# Altium PCB LimeNet-Micro_2v1.PcbDoc (part 2 of 11)
Units mm, origin at the board's own origin, x right, y up, seen from the top; angles counter-clockwise.
Board outline 75 x 143 mm, 6 copper layers (Top, L2, L3, L4, L5, Bottom), stack 1.583 mm thick; 795 components, 565 nets, 3646 pads, 1420 vias.
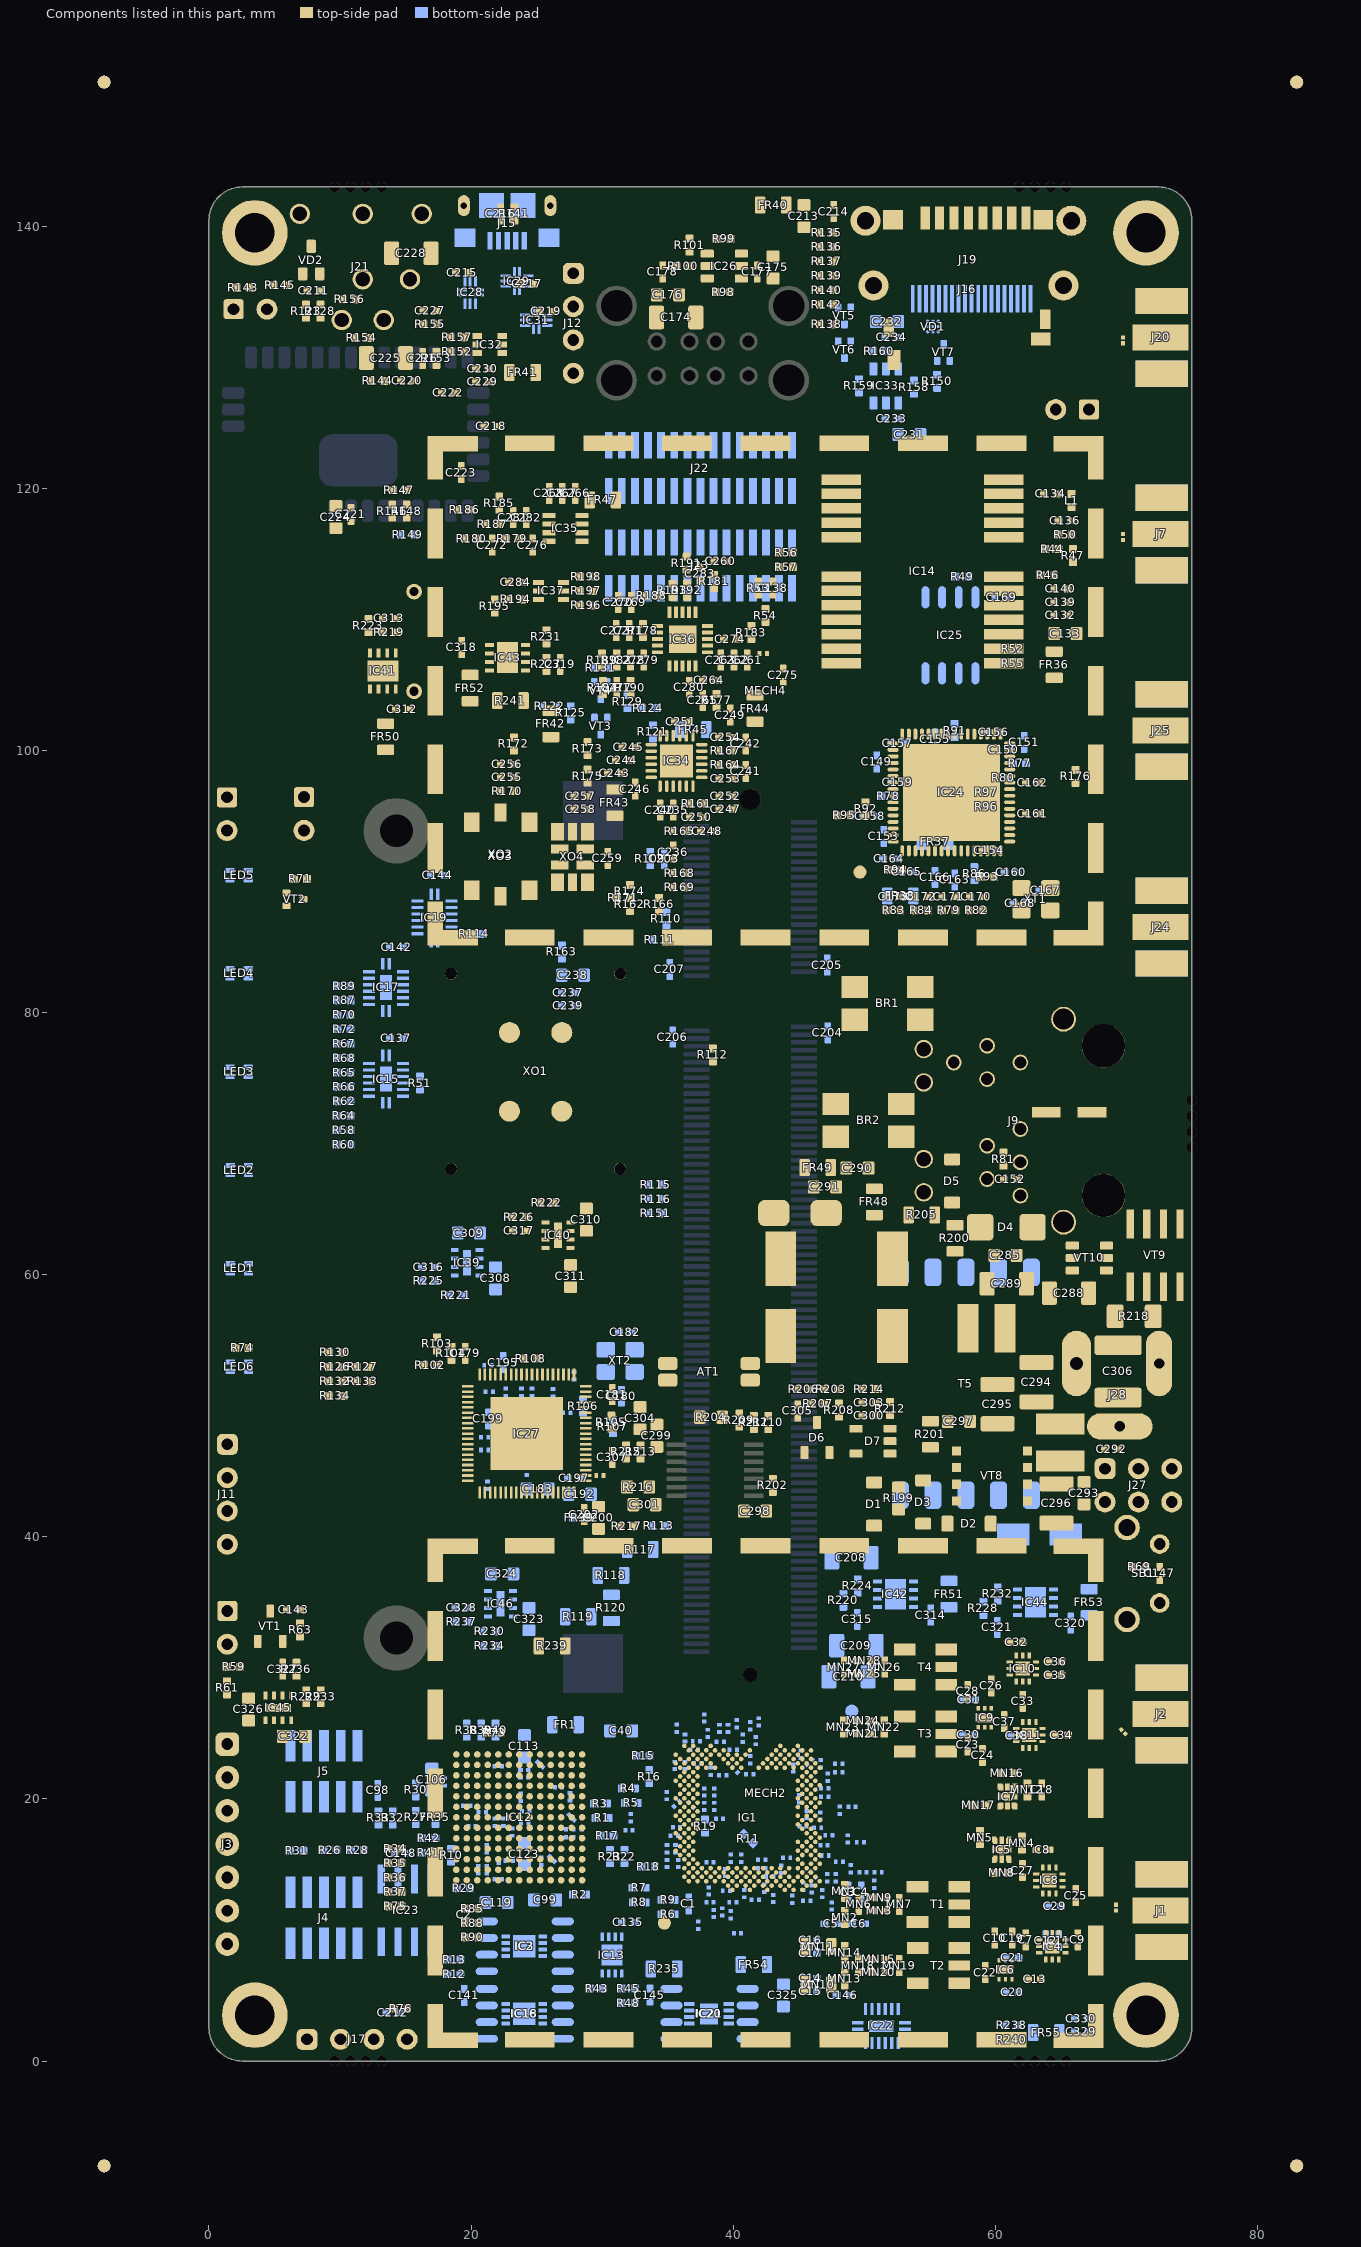
[diagram p6: the components of this part, seen from the top]

## Components (designator, comment, footprint, x,y, rotation, side; value= is the part's Value field where it differs from the comment) (continued)
R53 "0R" RES0402#2 41.915,112.4 r90 top
R54 "0R" RES0402#2 42.465,110.3 r270 top
R55 "0R" RES0402#1 61.331,106.675 r0 bottom
R56 "0R" RES0402#2 44.065,115.1 r0 top
R57 "0R" RES0402#2 44.065,114 r180 top
R58 "100R, 1%" RES0402#1 10.3,71.025 r0 bottom
R59 "0R" RES0402#2 1.875,30.075 r180 top
R60 "100R, 1%" RES0402#1 10.3,69.925 r0 bottom
R61 "0R" RES0402#2 1.375,28.475 r90 top
R62 "100R, 1%" RES0402#1 10.308,73.225 r0 bottom
R63 "0R" RES0402#2 6.95,32.9 r90 top
R64 "100R, 1%" RES0402#1 10.3,72.125 r0 bottom
R65 "100R, 1%" RES0402#1 10.308,75.425 r0 bottom
R66 "100R, 1%" RES0402#1 10.308,74.325 r0 bottom
R67 "100R, 1%" RES0402#1 10.308,77.625 r0 bottom
R68 "100R, 1%" RES0402#1 10.305,76.525 r0 bottom
R69 "10k, 1%" RES0402#2 71,37.7 r0 top
R70 "100R, 1%" RES0402#1 10.308,79.825 r0 bottom
R71 "0R" RES0402#2 6.975,90.2 r0 top
R72 "100R, 1%" RES0402#1 10.308,78.725 r0 bottom
R73 "1k, 1%" RES0402#2 21.772,25.05 r0 top
R74 "249R, 1%" RES0402#2 2.525,54.412 r0 top
R75 "10k, 1%" RES0402#2 14.2,11.8 r0 top
R76 "10k, 1%" RES0402#2 14.625,4 r180 top
R77 "10k, 1%" RES0402#1 61.85,99.025 r180 bottom
R78 "10k, 1%" RES0402#1 51.825,96.525 r0 bottom
R79 "49.9R, 1%" RES0402#2 56.45,87.8 r180 top
R80 "0R" RES0402#1 60.625,97.925 r0 bottom
R81 "10R, 5%" RES0402#2 60.625,68.825 r270 top
R82 "49.9R, 1%" RES0402#2 58.55,87.8 r0 top
R83 "49.9R, 1%" RES0402#2 52.25,87.8 r180 top
R84 "49.9R, 1%" RES0402#2 54.35,87.8 r0 top
R85 "10k, 1%" RES0402#2 20.075,11.625 r0 top
R86 "1M, 1%" RES0402#1 58.4,90.6 r90 bottom
R87 "100R, 1%" RES0402#1 10.308,80.925 r180 bottom
R88 "10k, 1%" RES0402#2 20.075,10.525 r0 top
R89 "100R, 1%" RES0402#1 10.307,82.025 r180 bottom
R90 "10k, 1%" RES0402#2 20.075,9.425 r0 top
R91 "10k, 1%" RES0402#1 56.9,101.525 r90 bottom
R92 "0R" RES0402#2 50.1,95.55 r270 top
R93 "12k, 1%" RES0402#2 59.4,90.35 r180 top
R94 "12.4k, 1%" RES0402#2 52.375,90.9 r180 top
R95 "0R" RES0402#2 48.475,95.05 r180 top
R96 "0R" RES0402#1 59.325,95.7 r180 bottom
R97 "0R" RES0402#1 59.325,96.8 r180 bottom
R98 "0R" RES0402_v2#1 39.25,134.975 r0 top
R99 "10k, 1%" RES0402#2 39.295,139.045 r180 top
R100 "44.2k, 1%" RES0402#2 36.17,136.97 r180 top
R101 "44.2k, 1%" RES0402#2 36.67,138.57 r90 top
R102 "0R" RES0402#2 16.9,53.1 r0 top
R103 "4K7, 1%" RES0402#2 17.4,54.725 r90 top
R104 "10k, 1%" RES0402#2 18.5,54 r270 top
R105 "10k, 1%" RES0402#2 30.7,48.75 r90 top
R106 "10k, 1%" RES0402#1 28.55,49.975 r270 bottom
R107 "10k, 1%" RES0402#1 30.825,48.4 r270 bottom
R108 "1k6, 1%" RES0402#2 24.55,53.6 r0 top
R109 "0R" RES0402#1 33.675,91.75 r270 bottom
R110 "100k, 1%" RES0402#1 34.9,87.175 r270 bottom
R111 "100k, 1%" RES0402#1 34.4,85.575 r0 bottom
R112 "22R" RES0402#2 38.45,76.775 r90 top
R113 "1k, 1%" RES0402#1 34.325,40.825 r0 bottom
R114 "0R" RES0402#1 20.25,86 r180 bottom
R115 "100k, 1%" RES0402#1 34.075,66.875 r0 bottom
R116 "100k, 1%" RES0402#1 34.075,65.775 r0 bottom
R117 "0R" RES0805#1 32.9,39.025 r180 bottom
R118 "0R" RES0805#1 30.675,37.05 r180 bottom
R119 "0R" RES0805#1 28.175,33.9 r180 bottom
R120 "0R" RES0805#1 30.7,34.575 r90 bottom
R121 "0R" RES0402#1 33.875,101.425 r90 bottom
R122 "0R" RES0402#1 26,103.375 r0 bottom
R123 "0R" RES0402#2 7.407,133.525 r270 top
R124 "100k, 1%" RES0402#1 33.535,103.235 r180 bottom
R125 "100k, 1%" RES0402#1 27.6,102.875 r270 bottom
R126 "0R" RES0402#2 9.65,52.964 r0 top
R127 "3k, 1%" RES0402#2 11.75,52.964 r180 top
R128 "0R" RES0402#2 8.507,133.525 r90 top
R129 "0R" RES0402#1 31.935,103.735 r270 bottom
R130 "0R" RES0402#2 9.65,54.075 r0 top
R131 "100k, 1%" RES0402#1 29.9,106.325 r180 bottom
R132 "0R" RES0402#2 9.65,51.864 r0 top
R133 "3k, 1%" RES0402#2 11.75,51.864 r180 top
R134 "0R" RES0402#2 9.65,50.753 r0 top
R135 "22R" RES0402#2 47.125,139.525 r0 top
R136 "22R" RES0402#2 47.125,138.425 r0 top
R137 "22R" RES0402#2 47.125,137.325 r0 top
R138 "47.5k, 1%" RES0402#2 47.138,132.513 r0 top
R139 "22R" RES0402#2 47.125,136.225 r0 top
R140 "22R" RES0402#2 47.125,135.125 r0 top
R141 "1M" RES0402#2 23.3,140.95 r270 top
R142 "22R" RES0402#2 47.125,134.025 r0 top
R143 "0R" RES0402#2 2.6,135.325 r0 top
R144 "49.9R, 1%" RES0402#2 12.875,128.2 r0 top
R145 "100k, 1%" RES0402#2 5.425,135.5 r0 top
R146 "1k, 1%" RES0402#2 13.985,118.26 r270 top
R147 "1k, 1%" RES0402#2 14.535,119.86 r0 top
R148 "0R" RES0402#2 15.085,118.26 r90 top
R149 "0R" RES0402#1 15.15,116.475 r180 bottom
R150 "100k, 1%" RES0402#1 55.56,128.175 r90 bottom
R151 "100k, 1%" RES0402#1 34.075,64.675 r0 bottom
R152 "249R, 1%" RES0402#2 18.947,130.425 r180 top
R153 "100R, 1%" RES0402#2 17.347,129.925 r90 top
R154 "2k2, 1%" RES0402#2 11.65,131.485 r180 top
R155 "100R, 1%" RES0402#2 16.875,132.525 r180 top
R156 "2k2, 1%" RES0402#2 10.725,134.425 r0 top
R157 "249R, 1%" RES0402#2 18.947,131.525 r180 top
R158 "0R" RES0402_v2#2 53.8,127.725 r270 bottom
R159 "10k, 1%" RES0402#1 49.6,127.825 r90 bottom
R160 "44.2k, 1%" RES0402#1 51.15,130.475 r180 bottom
R161 "0R" RES0402#2 37.2,95.95 r180 top
R162 "0R" RES0402_v2#1 32.125,88.25 r270 top
R163 "0R" RES0402#1 26.925,84.625 r270 bottom
R164 "0R" RES0402#2 39.425,98.9 r180 top
R165 "49.9R, 1%" RES0402#2 35.925,93.85 r180 top
R166 "0R" RES0402_v2#1 34.35,88.25 r270 top
R167 "0R" RES0402#2 39.425,100 r180 top
R168 "0R" RES0402_v2#1 35.925,90.65 r0 top
R169 "0R" RES0402_v2#1 35.925,89.55 r0 top
R170 "0R" RES0402#2 22.761,96.9 r0 top
R171 "0R" RES0402_v2#1 31.625,88.75 r180 top
R172 "0R" RES0402#2 23.261,100.5 r90 top
R173 "0R" RES0402#2 28.886,100.15 r270 top
R174 "0R" RES0402_v2#1 32.125,89.25 r270 top
R175 "22R" RES0402#2 28.886,98.05 r270 top
R176 "0R" RES0402#2 66.125,98.025 r90 top
R177 "49.9R, 1%" RES0402#2 38.738,103.825 r90 top
R178 "10R, 5%" RES0402#2 33.113,109.15 r90 top
R179 "1k, 1%" RES0402#2 23.15,116.175 r0 top
R180 "0R" RES0402#2 20.05,116.175 r0 top
R181 "1k, 1%" RES0402#2 38.55,112.9 r90 top
R182 "470R, 0.5%" RES0402#2 31.113,106.9 r270 top
R183 "49.9R, 1%" RES0402#2 41.388,109 r270 top
R184 "0R" RES0402#2 30.063,104.8 r270 top
R185 "3k, 1%" RES0402#2 22.15,118.875 r90 top
R186 "1k, 1%" RES0402#2 19.5,118.375 r180 top
R187 "10k, 1%" RES0402#2 21.65,117.275 r180 top
R188 "10k, 1%" RES0402#2 33.77,111.8 r180 top
R189 "10k, 1%" RES0402#2 30,106.9 r270 top
R190 "330R, 5%" RES0402#2 32.163,104.8 r90 top
R191 "49.9R, 1%" RES0402#2 36.45,114.3 r270 top
R192 "49.9R, 1%" RES0402#2 36.463,112.225 r270 top
R193 "49.9R, 1%" RES0402#2 35.363,112.225 r270 top
R194 "3k, 1%" RES0402#2 23.4,111.525 r0 top
R195 "10k, 1%" RES0402#2 21.8,111.025 r270 top
R196 "49.9R, 1%" RES0402#2 28.8,111.075 r0 top
R197 "49.9R, 1%" RES0402#2 28.8,112.175 r0 top
R198 "49.9R, 1%" RES0402#2 28.8,113.275 r0 top
R199 "10R, 1%" RES0603 52.625,42.925 r270 top
R200 "39k, 1%" RES0805#2 56.925,62.775 r270 top
R201 "10R, 1%" RES0805#2 55.05,47.825 r90 top
R202 "24.9k, 1%" RES0402#2 43.025,43.925 r270 top
R203 "0R" RES0402#2 47.475,51.26 r0 top
R204 "90.9R. 1%" RES0603 38.31,49.125 r180 top
R205 "20R 1%" RES0805#2 54.381,64.562 r180 top
R206 "680R, 1%" RES0402#2 45.375,51.26 r180 top
R207 "10k, 1%" RES0402#2 46.475,50.16 r180 top
R208 "44.2k, 1%" RES0402#2 48.075,49.66 r90 top
R209 "0R" RES0402#2 40.464,48.9 r270 top
R210 "80.6k, 1%" RES0402#2 42.675,48.725 r90 top
R211 "59k, 1%" RES0402#2 41.575,48.725 r90 top
R212 "10k, 1%" RES0402#2 51.975,49.775 r90 top
R213 "2k, 1%" RES0402#2 32.938,46.475 r90 top
R214 "14.3k, 1%" RES0402#2 50.375,51.275 r0 top
R215 "680R, 1%" RES0402#2 31.825,46.475 r90 top
R216 "10R, 1%" RES0603 32.75,43.8 r0 top
R217 "1k, 1%" RES0402#2 31.887,40.8 r0 top
R218 "0.5R, 1%" RES1206 70.6,56.825 r180 top
R219 "1k, 1%" RES0402#2 13.768,109.025 r0 top
R220 "560R, 1%" RES0402#1 48.405,35.154 r270 bottom
R221 "118k, 1%" RES0402#1 18.855,58.425 r0 bottom
R222 "118k, 1%" RES0402#2 25.777,65.5 r0 top
R223 "470R, 0.5%" RES0402#2 12.168,109.525 r90 top
R224 "1k, 1%" RES0402#1 49.505,36.254 r270 bottom
R225 "150k, 1%" RES0402#1 16.755,59.525 r0 bottom
R226 "150k, 1%" RES0402#2 23.677,64.4 r0 top
R227 "1.6k, 1%" RES0402#2 25.75,106.575 r270 top
R228 "750R, 1%" RES0402#1 59.088,34.536 r90 bottom
R229 "0R" RES0402#2 7.425,27.795 r90 top
R230 "0R" RES0402#1 21.405,32.775 r180 bottom
R231 "510R, 1%" RES0402#2 25.75,108.675 r90 top
R232 "1k, 1%" RES0402#1 60.188,35.636 r270 bottom
R233 "187k, 1%" RES0402#2 8.525,27.795 r270 top
R234 "187k, 1%" RES0402#1 21.405,31.675 r0 bottom
R235 "0R" RES0805#1 34.725,7.025 r180 bottom
R236 "82.5k, 1%" RES0402#2 6.675,29.895 r270 top
R237 "82.5k, 1%" RES0402#1 19.305,33.525 r0 bottom
R238 "0R" RES0402#1 61.24,2.725 r0 bottom
R239 "0R" RES0805#2 26.175,31.675 r180 top
R240 "0R" RES0402#1 61.24,1.625 r180 bottom
R241 "0R" RES0805#2 23,103.8 r180 top
SB1 "Switch tactile right edge" SW_TACTILE_RIGHT_EDGE 71.3,37.2 r270 bottom locked
T1 "TC1-1-13M-45+" TC1-1-13MA+_JA4220-AL_ 55.651,11.949 r270 top
T2 "TC1-1-13M-45+" TC1-1-13MA+_JA4220-AL_ 55.661,7.274 r270 top
T3 "TC1-1-13M-45+" TC1-1-13MA+_JA4220-AL_ 54.681,24.953 r270 top
T4 "TC1-1-13M-45+" TC1-1-13MA+_JA4220-AL_ 54.681,30.053 r270 top
T5 "NA6223-AL" PoE13P-50L_Flyback_transformer 57.75,51.675 r270 bottom locked
VD1 "ESD5384" TVS_ESD5384NCTBG 55.25,132.35 r90 bottom
VD2 "BAV99WT1G" SC-70_BAV99WT1G 7.8,137.425 r90 top
VD3 "SMAJ58A" SMAJ58A_SHOTTKY_DIODE 45.1,64.7 r0 top
VD4 "SMBJ5V0A" SMAJ12CA-13-F 63.425,40.175 r0 bottom
VT1 "IRLML6244TRPBF" SOT23-3 4.675,33.175 r90 top
VT2 "DMG1012T" SOT523 6.56,88.639 r0 top
VT3 "DMG1012T" SOT523 29.905,101.863 r270 bottom
VT4 "DMG1012T" SOT523 29.9,104.575 r270 bottom
VT5 "DMG1012T" SOT523 48.493,133.158 r270 bottom
VT6 "DMG1012T" SOT523 48.493,130.588 r270 bottom
VT7 "DMG1012T" SOT523 56.05,130.38 r90 bottom
VT8 "CSD17527Q5A" CSD17527Q5A_NMOS_8-VSONP 59.755,44.645 r180 top
VT9 "SI4848DY" SI4848DY_NMOS_SO8 72.2,61.475 r90 top
VT10 "FDC86244" SOT23-6#1 67.175,61.275 r0 top
XO1 "U7475LF 30.72MHz" AOCJYR-10.000MHZ 24.925,75.475 r270 top locked
XO2 "E6245LF 30.72 MHz" RAKON_RPT7050A 22.25,92.075 r90 top
XO3 "E5280LF 30.72MHz" RAKON_TXCO 22.25,92.075 r90 top
XO4 "RTX5032A, 40.00MHz" RAKON_RTX5032A 27.736,91.875 r270 top
XT1 "25MHz" CRYSTAL_4-LCC#1 63.1,88.65 r180 top
XT2 "30MHz" CRYSTAL_4-LCC#2 31.375,53.425 r0 bottom

## Footprints (in the part's own frame and the unit in brackets; to place one, negate y for a bottom-side part, rotate by r counter-clockwise, add the part's x,y. Pads: shape width x height; smd on the part's side, far side on the other; paste and mask are expansions set on the pad)
10M16SAU169C8G [mm] "BGA, 169-Leads, Body 11,00x11,00mmx1,55mm, Pitch 0,80mm"
  round 0.5 smd mask+0.05: A1(-4.8,4.8) A2(-4,4.8) A3(-3.2,4.8) A4(-2.4,4.8) A5(-1.6,4.8) A6(-0.8,4.8) A7(0,4.8) A8(0.8,4.8) A9(1.6,4.8) A10(2.4,4.8) A11(3.2,4.8) A12(4,4.8) A13(4.8,4.8) B1(-4.8,4) B2(-4,4) B3(-3.2,4) B4(-2.4,4) B5(-1.6,4) B6(-0.8,4) B7(0,4) B8(0.8,4) B9(1.6,4) B10(2.4,4) B11(3.2,4) B12(4,4) B13(4.8,4) C1(-4.8,3.2) C2(-4,3.2) C3(-3.2,3.2) C4(-2.4,3.2) C5(-1.6,3.2) C6(-0.8,3.2) C7(0,3.2) C8(0.8,3.2) C9(1.6,3.2) C10(2.4,3.2) C11(3.2,3.2) C12(4,3.2) C13(4.8,3.2) D1(-4.8,2.4) D2(-4,2.4) D3(-3.2,2.4) D4(-2.4,2.4) D5(-1.6,2.4) D6(-0.8,2.4) D7(0,2.4) D8(0.8,2.4) D9(1.6,2.4) D10(2.4,2.4) D11(3.2,2.4) D12(4,2.4) D13(4.8,2.4) E1(-4.8,1.6) E2(-4,1.6) E3(-3.2,1.6) E4(-2.4,1.6) E5(-1.6,1.6) E6(-0.8,1.6) E7(0,1.6) E8(0.8,1.6) E9(1.6,1.6) E10(2.4,1.6) E11(3.2,1.6) E12(4,1.6) E13(4.8,1.6) F1(-4.8,0.8) F2(-4,0.8) F3(-3.2,0.8) F4(-2.4,0.8) F5(-1.6,0.8) F6(-0.8,0.8) F7(0,0.8) F8(0.8,0.8) F9(1.6,0.8) F10(2.4,0.8) F11(3.2,0.8) F12(4,0.8) F13(4.8,0.8) G1(-4.8,0) G2(-4,0) G3(-3.2,0) G4(-2.4,0) G5(-1.6,0) G6(-0.8,0) G7(0,0) G8(0.8,0) G9(1.6,0) G10(2.4,0) G11(3.2,0) G12(4,0) G13(4.8,0) H1(-4.8,-0.8) H2(-4,-0.8) H3(-3.2,-0.8) H4(-2.4,-0.8) H5(-1.6,-0.8) H6(-0.8,-0.8) H7(0,-0.8) H8(0.8,-0.8) H9(1.6,-0.8) H10(2.4,-0.8) H11(3.2,-0.8) H12(4,-0.8) H13(4.8,-0.8) J1(-4.8,-1.6) J2(-4,-1.6) J3(-3.2,-1.6) J4(-2.4,-1.6) J5(-1.6,-1.6) J6(-0.8,-1.6) J7(0,-1.6) J8(0.8,-1.6) J9(1.6,-1.6) J10(2.4,-1.6) J11(3.2,-1.6) J12(4,-1.6) J13(4.8,-1.6) K1(-4.8,-2.4) K2(-4,-2.4) K3(-3.2,-2.4) K4(-2.4,-2.4) K5(-1.6,-2.4) K6(-0.8,-2.4) K7(0,-2.4) K8(0.8,-2.4) K9(1.6,-2.4) K10(2.4,-2.4) K11(3.2,-2.4) K12(4,-2.4) K13(4.8,-2.4) L1(-4.8,-3.2) L2(-4,-3.2) L3(-3.2,-3.2) L4(-2.4,-3.2) L5(-1.6,-3.2) L6(-0.8,-3.2) L7(0,-3.2) L8(0.8,-3.2) L9(1.6,-3.2) L10(2.4,-3.2) L11(3.2,-3.2) L12(4,-3.2) L13(4.8,-3.2) M1(-4.8,-4) M2(-4,-4) M3(-3.2,-4) M4(-2.4,-4) M5(-1.6,-4) M6(-0.8,-4) M7(0,-4) M8(0.8,-4) M9(1.6,-4) M10(2.4,-4) M11(3.2,-4) M12(4,-4) M13(4.8,-4) N1(-4.8,-4.8) N2(-4,-4.8) N3(-3.2,-4.8) N4(-2.4,-4.8) N5(-1.6,-4.8) N6(-0.8,-4.8) N7(0,-4.8) N8(0.8,-4.8) N9(1.6,-4.8) N10(2.4,-4.8) N11(3.2,-4.8) N12(4,-4.8) N13(4.8,-4.8)
  silkscreen extent -6.37,-5.6 5.6,5.6, body extent -5.5,-5.5 5.5,5.5, height 1.65
74HC595BQ,115 [mm]
  rect 0.9x0.25 smd mask+0.05: 1(-1.8,-0.25) 8(1.8,-0.25) 9(1.8,0.25) 16(-1.8,0.25)
  rect 0.25x0.9 smd mask+0.05: 2(-1.3,-1.3) 3(-0.8,-1.3) 4(-0.3,-1.3) 5(0.2,-1.3) 6(0.7,-1.3) 7(1.2,-1.3) 10(1.2,1.3) 11(0.7,1.3) 12(0.2,1.3) 13(-0.3,1.3) 14(-0.8,1.3) 15(-1.3,1.3)
  rect 1.9x0.9 smd paste-2 mask+0.05: PAD(0,0)
  silkscreen extent -2.3,-1.8 2.3,1.8, body extent -1.8,-1.07 1.8,1.08, height 1
AD5601_SOT23-6 [mm] "SOT23, 6-Leads, Body 2x1.3mm, Pitch 0.65mm, Lead Span 2.1mm, IPC Medium Density"
  rect 0.85x0.4 smd mask+0.05: 1(-0.95,0.65) 2(-0.95,0) 3(-0.95,-0.65) 4(0.95,-0.65) 5(0.95,0) 6(0.95,0.65)
  silkscreen extent -1.07,-1.1 0.15,1.52, body extent -1.05,-1 1.05,1, height 0.43
AD5662_SOT23-8 [mm]
  rect 1x0.4 smd mask+0.05: 1(-1.25,0.975) 2(-1.25,0.325) 3(-1.25,-0.325) 4(-1.25,-0.975) 5(1.25,-0.975) 6(1.25,-0.325) 7(1.25,0.325) 8(1.25,0.975)
  silkscreen extent -1.29,-1.4 0.3,1.51, body extent -1.4,-1.49 1.4,1.45, height 1.2
ADF4002 [mm]
  rect 0.85x0.3 smd mask+0.05: 1(-2.05,1) 2(-2.05,0.5) 3(-2.05,0) 4(-2.05,-0.5) 5(-2.05,-1) 11(2.05,-1) 12(2.05,-0.5) 13(2.05,0) 14(2.05,0.5) 15(2.05,1)
  rect 0.3x0.85 smd mask+0.05: 6(-1,-1.9) 7(-0.5,-1.9) 8(0,-1.9) 9(0.5,-1.9) 10(1,-1.9) 16(1,1.9) 17(0.5,1.9) 18(0,1.9) 19(-0.5,1.9) 20(-1,1.9)
  rect 2.1x2.1 smd: 21(0,0)
  silkscreen extent -2.97,-2.03 2.2,2.02, body extent -2.02,-2.02 2.02,2.02, height 0.8
AOCJYR-10.000MHZ [mm]
  round 0.9 hole 0.9 unplated: 0(-7.5,6.45) 0(-7.5,-6.45) 0(7.4,6.45) 0(7.4,-6.45)
  round 1.6 smd mask+0.05: 1(-3,-2) 2(3,-2) 3(3,2) 4(-3,2)
  Top pour cut-out: 7.4,-6.45 7.4,-5.35 7.821,-5.434 8.178,-5.672 8.416,-6.029 8.5,-6.45 8.5,-6.45
  Top pour cut-out: 7.4,-6.45 7.4,-7.55 6.979,-7.466 6.622,-7.228 6.384,-6.871 6.3,-6.45 6.3,-6.45
  Top pour cut-out: 7.4,-6.45 6.3,-6.45 6.384,-6.029 6.622,-5.672 6.979,-5.434 7.4,-5.35 7.4,-5.35
  Top pour cut-out: 7.4,-6.45 8.5,-6.45 8.416,-6.871 8.178,-7.228 7.821,-7.466 7.4,-7.55 7.4,-7.55
  Top pour cut-out: -7.5,-6.45 -6.4,-6.45 -6.484,-6.871 -6.722,-7.228 -7.079,-7.466 -7.5,-7.55 -7.5,-7.55
  Top pour cut-out: -7.5,-6.45 -8.6,-6.45 -8.516,-6.029 -8.278,-5.672 -7.921,-5.434 -7.5,-5.35 -7.5,-5.35
  Top pour cut-out: -7.5,-6.45 -7.5,-7.55 -7.921,-7.466 -8.278,-7.228 -8.516,-6.871 -8.6,-6.45 -8.6,-6.45
  Top pour cut-out: -7.5,-6.45 -7.5,-5.35 -7.079,-5.434 -6.722,-5.672 -6.484,-6.029 -6.4,-6.45 -6.4,-6.45
  Top pour cut-out: -7.5,6.45 -6.4,6.45 -6.484,6.029 -6.722,5.672 -7.079,5.434 -7.5,5.35 -7.5,5.35
  Top pour cut-out: -7.5,6.45 -8.6,6.45 -8.516,6.871 -8.278,7.228 -7.921,7.466 -7.5,7.55 -7.5,7.55
  Top pour cut-out: -7.5,6.45 -7.5,5.35 -7.921,5.434 -8.278,5.672 -8.516,6.029 -8.6,6.45 -8.6,6.45
  Top pour cut-out: -7.5,6.45 -7.5,7.55 -7.079,7.466 -6.722,7.228 -6.484,6.871 -6.4,6.45 -6.4,6.45
  Top pour cut-out: 7.4,6.45 8.5,6.45 8.416,6.029 8.178,5.672 7.821,5.434 7.4,5.35 7.4,5.35
  Top pour cut-out: 7.4,6.45 6.3,6.45 6.384,6.871 6.622,7.228 6.979,7.466 7.4,7.55 7.4,7.55
  Top pour cut-out: 7.4,6.45 7.4,5.35 6.979,5.434 6.622,5.672 6.384,6.029 6.3,6.45 6.3,6.45
  Top pour cut-out: 7.4,6.45 7.4,7.55 7.821,7.466 8.178,7.228 8.416,6.871 8.5,6.45 8.5,6.45
  Top pour cut-out: 4.9,-0.5 4.9,3.9 -4.9,3.9 -4.9,-3.9 1.525,-3.9 1.525,-0.5
  silkscreen extent -9,-8 9,8, body extent -4.9,-3.75 4.9,3.75, height 4.2
AP7361 [mm] "Low noise LDO"
  rect 0.7x0.3 smd mask+0.05: 1(-1.375,0.975) 2(-1.375,0.325) 3(-1.375,-0.325) 4(-1.375,-0.975) 5(1.375,-0.975) 6(1.375,-0.325) 7(1.375,0.325) 8(1.375,0.975)
  rect 1.6x2.35 smd mask+0.05: 9(0,0)
  silkscreen extent -2.34,-1.7 2,1.7, body extent -1.52,-1.5 1.5,1.5, height 0.8
ATECC508A_UDFN8 [mm]
  rect 0.8x0.3 smd mask+0.05: 1(-1.5,0.75) 2(-1.5,0.25) 3(-1.5,-0.25) 4(-1.5,-0.75) 5(1.5,-0.75) 6(1.5,-0.25) 7(1.5,0.25) 8(1.5,0.75)
  rect 1.4x1.6 smd mask+0.05: PAD(0,0)
  silkscreen extent -1.64,-1.1 1.2,1.24, body extent -1.5,-1 1.5,1, height 0.53
Audio_jack_3.5mm [mm]
  round 1.55 hole 1.1 mask+0.05: 1(2.9,4.8) 2(7.9,-3.6) 3(11,1.6) 4(2.9,-4.5) 5(11,-1.6) 6(2.9,0) 7(7.9,0)
  silkscreen extent 1.3,-5.3 11.6,5, body extent -2.5,-5.3 11.5,4.9, height 5.2
BAT54SLT1G_SOT23-3 [mm] "SOT23, 3 pin"
  round 0.5 on Mech15: 0(0,0)
  rrect25% 1x0.6 smd: A(-1.15,0.95) A/C(1.15,0) C(-1.15,-0.95)
  silkscreen extent -1.25,-1.45 0.38,1.81, body extent -1.4,-1.45 1.4,1.45, height 1.29
BUZZER_WST-1203UX [mm]
  round 1.2 hole 0.7 mask+0.05: 1(0,3.8) 2(0,-3.8)
  silkscreen extent -6.3,-6.3 6.3,6.3, body extent -6,-6.03 6,9.43, height 9.65
CAP0201 [mm]
  rect 0.3x0.35 smd mask+0.05: 1(-0.28,0) 2(0.28,0)
  silkscreen extent -0.2,-0.33 0.2,0.32, body extent -0.3,-0.15 0.3,0.15, height 0.25
CAP0402#1 [mm] "Chip Capacitor, Body 1.0x0.5mm, 0402, IPC Medium Density"
  round 0.2 on Mech14: 0(0,0)
  rrect20% 0.6x0.5 smd: 1(-0.5,0) 2(0.5,0)
  Top pour cut-out: -0.2,0.35 0.2,0.35 0.2,-0.35 -0.2,-0.35
  silkscreen extent -1.05,-0.5 1.05,0.5, body extent -0.52,-0.27 0.53,0.28, height 0.55
CAP0402#2 [mm] "Chip Capacitor, Body 1.0x0.5mm, 0402, IPC Medium Density"
  round 0.2 on Mech15: 0(0,0)
  rrect20% 0.6x0.5 smd: 1(-0.5,0) 2(0.5,0)
  Top pour cut-out: -0.2,0.35 0.2,0.35 0.2,-0.35 -0.2,-0.35
  silkscreen extent -1.05,-0.5 1.05,0.5, body extent -0.52,-0.27 0.53,0.28, height 0.55
CAP0603#1 [mm] "Chip Capacitor, Body 1.6x0.8mm, 0603, IPC Medium Density"
  round 0.254 on Mech14: 0(0,0)
  rrect25% 0.9x1 smd: 1(-0.85,0) 2(0.85,0)
  Top pour cut-out: -0.4,0.6 0.4,0.6 0.4,-0.6 -0.4,-0.6
  silkscreen extent -0.18,-0.48 0.18,0.48, body extent -0.85,-0.45 0.85,0.45, height 0.89
CAP0603#2 [mm] "Chip Capacitor, Body 1.6x0.8mm, 0603, IPC Medium Density"
  round 0.254 on Mech15: 0(0,0)
  rrect25% 0.9x1 smd: 1(-0.85,0) 2(0.85,0)
  Top pour cut-out: -0.4,0.6 0.4,0.6 0.4,-0.6 -0.4,-0.6
  silkscreen extent -0.18,-0.48 0.18,0.48, body extent -0.85,-0.45 0.85,0.45, height 0.89
CAP1206#1 [mm] "Chip Capacitor, Body 3.2x1.6mm, 1206, IPC Medium Density"
  round 0.508 on Mech15: 0(0,0)
  rrect25% 1.15x1.8 smd: 1(-1.5,0) 2(1.5,0)
  silkscreen extent -0.4,-0.88 0.4,0.88, body extent -1.7,-0.9 1.7,0.9, height 1.74
CAP1206#2 [mm] "Chip Capacitor, Body 3.2x1.6mm, 1206, IPC Medium Density"
  round 0.508 on Mech14: 0(0,0)
  rrect25% 1.15x1.8 smd: 1(-1.5,0) 2(1.5,0)
  silkscreen extent -0.4,-0.88 0.4,0.88, body extent -1.7,-0.9 1.7,0.9, height 1.74
CAP1210 [mm] "Chip Capacitor, Body 3.2x2.5mm, 1210, IPC Medium Density"
  round 0.508 on Mech15: 0(0,0)
  rrect25% 1.15x2.6 smd: 1(-1.5,0) 2(1.5,0)
  silkscreen extent -0.4,-1.4 0.4,1.4, body extent -1.6,-1.25 1.6,1.25, height 1.29
CAP1812 [mm] "Chip Capacitor, Body 3.2x2.5mm, 1210, IPC Medium Density"
  round 0.508 on Mech15: 0(0,0)
  rrect25% 1.5x3.6 smd: 1(-2,0) 2(2,0)
  silkscreen extent -0.4,-1.4 0.4,1.4, body extent -2.4,-1.7 2.4,1.8, height 1.54
CAP_POL_SIZE_B [mm]
  rect 2.2x0.8 smd: 1(-1.7,0) 2(1.8,0)
  silkscreen extent -2.7,-2.5 2.75,2.5, body extent -2.5,-2.15 2.5,2.15, height 5.8